# Altium PCB Charge.PcbDoc
Units mil, origin at the board's own origin, x right, y up, seen from the top; angles counter-clockwise.
Board outline 2424.87 x 1854.35 mil, 2 copper layers (Top Layer, Bottom Layer); 42 components, 22 nets, 117 pads, 37 vias.
Unrouted connection lines stored in the file: 25.
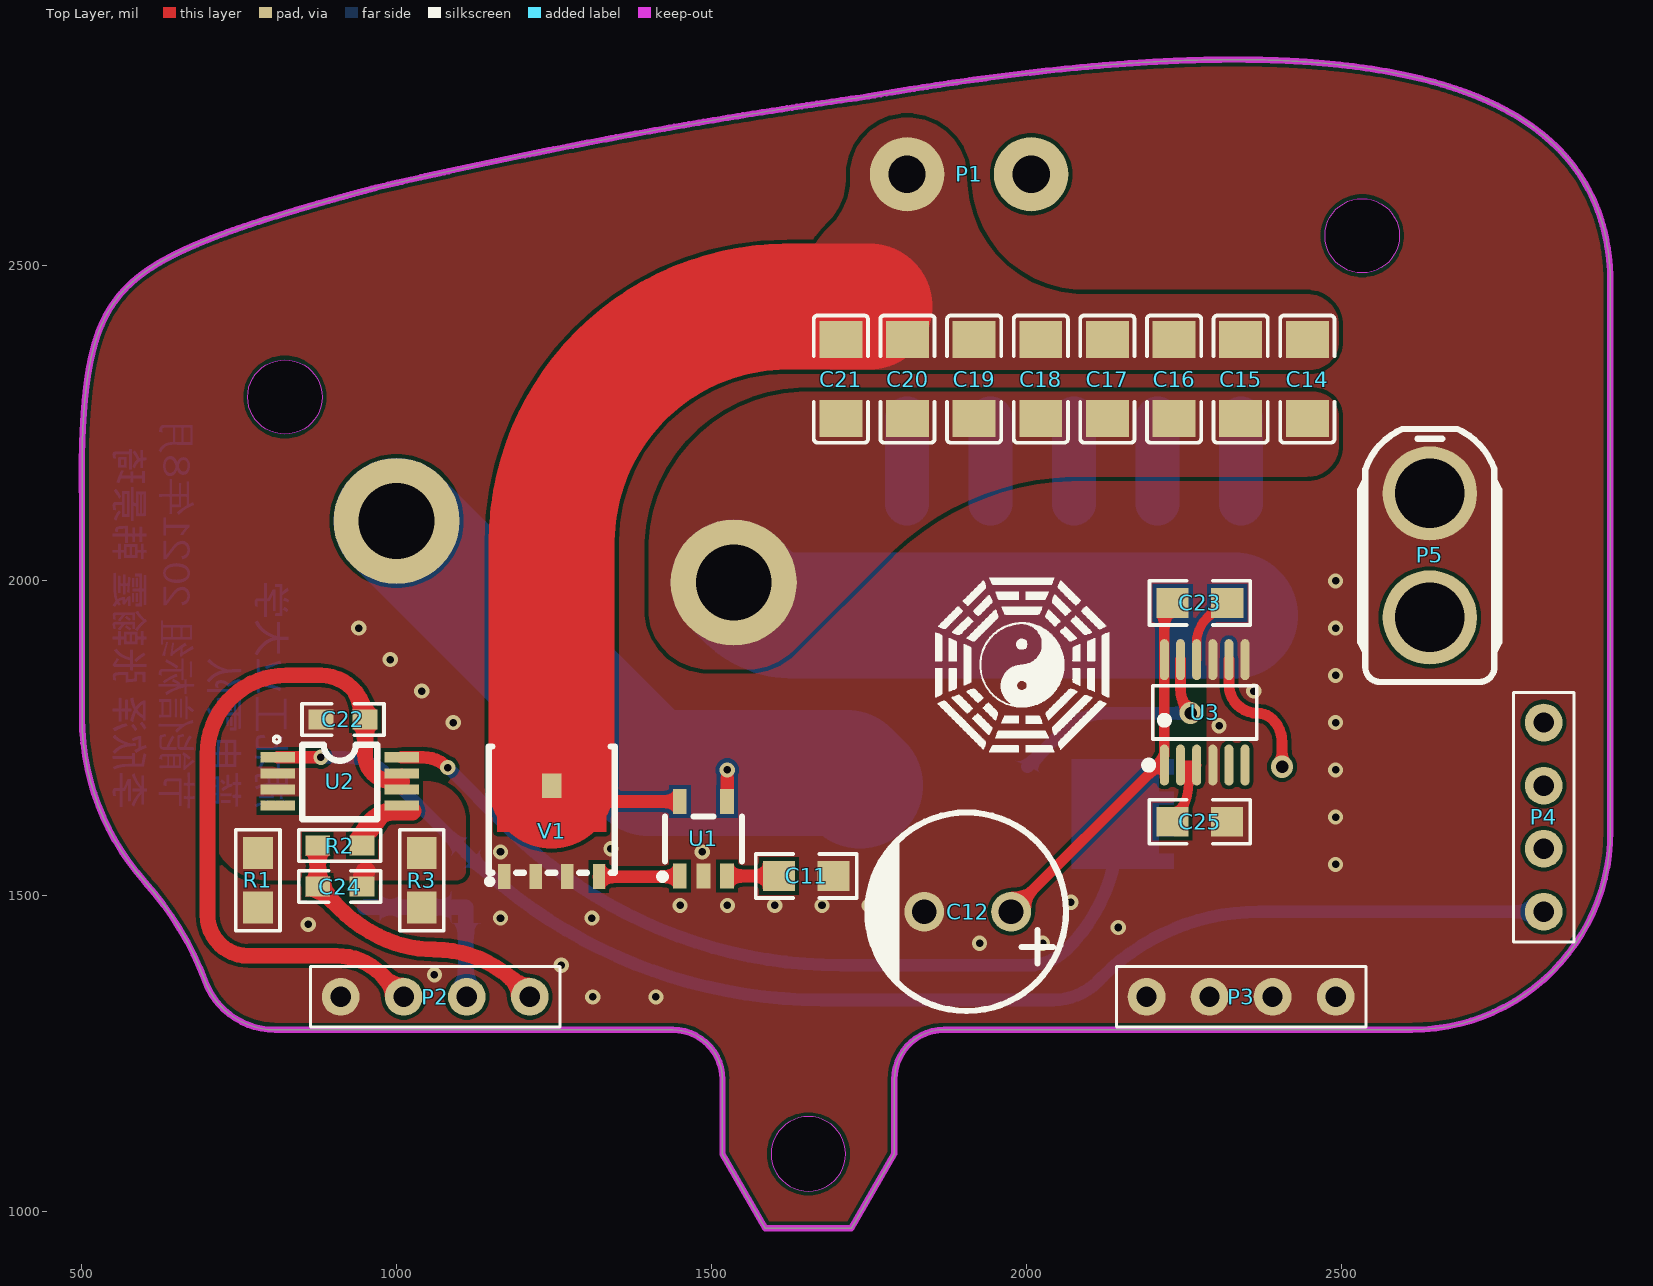
[diagram p0: Top Layer view]
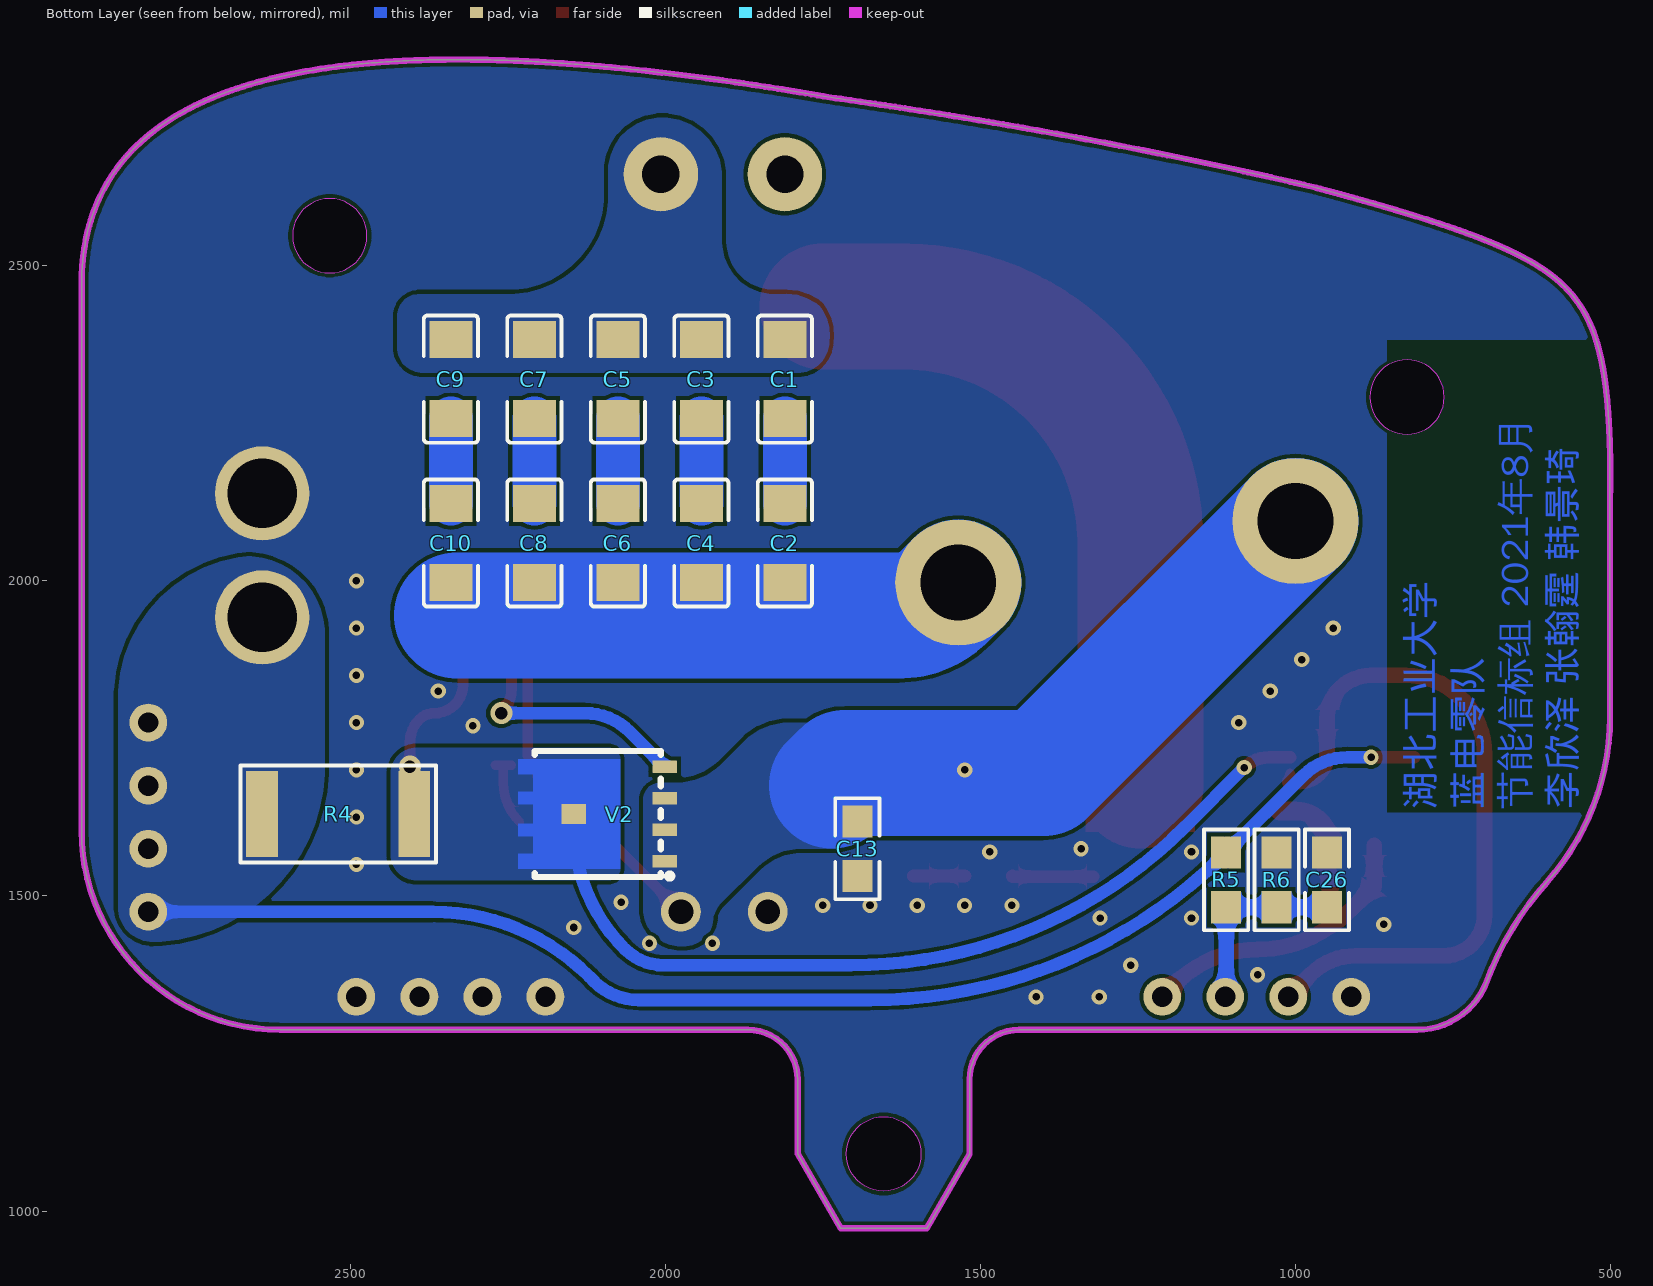
[diagram p1: Bottom Layer view, seen from below]

## Layer stack, top to bottom
Top Solder: solder mask 0.4, Solder Resist, Dk 3.5
Top Layer: signal copper 1.4
Dielectric 1: dielectric 12.6, FR-4, Dk 4.8
Bottom Layer: signal copper 1.4
Bottom Solder: solder mask 0.4, Solder Resist, Dk 3.5

## Board outline
840 vertices, not listed, extent 500.99,972.69 2925.85,2827.04
cut-out: 1594.36,1090.8 ccw(c1653.41,1090.8) 1653.41,1031.75 ccw(c1653.41,1090.8) 1712.47,1090.8 ccw(c1653.41,1090.8) 1653.41,1149.86 ccw(c1653.41,1090.8)
cut-out: 2532.13,2488.44 cw(c2532.13,2547.49) 2473.07,2547.49 cw(c2532.13,2547.49) 2532.13,2606.55 cw(c2532.13,2547.49) 2591.18,2547.49 cw(c2532.13,2547.49)
cut-out: 822.92,2232.55 cw(c822.92,2291.61) 763.87,2291.61 cw(c822.92,2291.61) 822.92,2350.66 cw(c822.92,2291.61) 881.98,2291.61 cw(c822.92,2291.61)

## Design rules (kind name [scope] priority, off if disabled: settings)
Clearance [All] p1: gap=6 ignorepadtopadclearanceinfootprint=TRUE
HoleSize [All] p1: absolutevalues=TRUE maxlimit=10000 minlimit=1 maxpercent=80.000 minpercent=20.000
PlaneClearance [All] p1: clearance=10
PolygonConnect [All] p1: connectstyle=Direct reliefconductorwidth=10 reliefentries=4 polygonreliefangle="90 Angle" airgapwidth=10
RoutingVias [All] p1: holewidth=15 width=30 viastyle="Through Hole" minholewidth=30 minwidth=20 maxholewidth=10 maxwidth=50
SilkToSilkClearance [All] p1: silktosilkclearance=0
SilkToSolderMaskClearance [IsPad] p1: minsilkscreentomaskgap=0 clearancetoexposedcopper=TRUE
SolderMaskExpansion [All] p1: expansion=4 istentingtop=FALSE
UnRoutedNet [All] p1: checkbadconnections=TRUE
Width [All] p1: maxlimit=200 minlimit=10 preferedwidth=30 minimp=50.000000 maximp=50.000000 favimp=50.000000
25 further rules are at their usual default settings.

## Components (designator, comment, footprint, x,y, rotation, side; value= is the part's Value field where it differs from the comment)
C1 "0F" 1206_CAP 1810,2320 r270 bottom
C2 "0F" 1206_CAP 1810,2060 r270 bottom
C3 "0F" 1206_CAP 1942.5,2320 r270 bottom
C4 "0F" 1206_CAP 1942.5,2060 r270 bottom
C5 "0F" 1206_CAP 2075,2320 r270 bottom
C6 "0F" 1206_CAP 2075,2060 r270 bottom
C7 "0F" 1206_CAP 2207.5,2320 r270 bottom
C8 "0F" 1206_CAP 2207.5,2060 r270 bottom
C9 "0F" 1206_CAP 2340,2320 r270 bottom
C10 "0F" 1206_CAP 2340,2060 r270 bottom
C11 "2.2uF" 0805_CAP 1649.99,1531.69 r0 top
C12 "470uF" CAP-TH_BD8.0-P3.50-D1.0-FD 1906.15,1475 r180 top
C13 "0.1uF" 0805_CAP 1695,1575 r90 bottom
C14 "0F" 1206_CAP 2445,2320 r270 top
C15 "0F" 1206_CAP 2339.29,2320 r270 top
C16 "0F" 1206_CAP 2233.57,2320 r270 top
C17 "0F" 1206_CAP 2127.86,2320 r270 top
C18 "0F" 1206_CAP 2022.14,2320 r270 top
C19 "0F" 1206_CAP 1916.43,2320 r270 top
C20 "0F" 1206_CAP 1810.71,2320 r270 top
C21 "0F" 1206_CAP 1705,2320 r270 top
C22 "0.1uF" 0603_CAP 915,1780 r180 top
C23 "0.1uF" 0805_CAP 2274.58,1965 r0 top
C24 "1nF" 0603_CAP 910,1515 r180 top
C25 "0.1uF" 0805_CAP 2274.41,1617.68 r0 top
C26 "1nF" 0805_CAP 950,1525.5 r270 bottom
P1 "XH2.54_2P" XH2.54_2P 1810,2645 r0 top
P2 "HDR1x4_2.54" HDR_1X4 911.4,1340 r90 top locked
P3 "HDR1x4_2.54" HDR_1X4 2190,1340 r90 top locked
P4 "HDR1x4_2.54" HDR_1X4 2820,1775 r0 top locked
P5 "XT30 DIP" "XT30 DIP" 2639.41,1941.83 r90 top locked
R1 "0R" 0805_RES 780,1525 r270 top
R2 "100R" 0603_RES 910,1580 r180 top
R3 "0R" 0805_RES 1040,1525 r270 top
R4 "2mO" 2512_RES 2518.69,1630 r0 bottom locked
R5 "100K" 0805_RES 1110,1525.5 r90 bottom
R6 "10K" 0805_RES 1030,1525.5 r270 bottom
U1 "UCC24612" SOT-23-5_L3.0-W1.7-P0.95-LS2.8-BR 1484.99,1590.75 r270 top
U2 "AD8417BRMZ" MSOP-8_L3.0-W3.0-P0.65-LS4.9-BL 910,1685 r270 top
U3 "LTC4352IMS" MSOP-12_L4.0-W3.0-P0.65-LS5.0-BL -15718.91,15283.26 r0 top
V1 "TPH1R403NL" POWERVDFN-8_L6.2-W5.2-P1.27-LS6.0-BL 1246.18,1630 r0 top
V2 "TPH1R403NL" POWERVDFN-8_L6.2-W5.2-P1.27-LS6.0-BL 2100,1630 r90 bottom

## Footprints (in the part's own frame and the unit in brackets; to place one, negate y for a bottom-side part, rotate by r counter-clockwise, add the part's x,y. Pads: shape width x height; smd on the part's side, far side on the other; paste and mask are expansions set on the pad)
0603_CAP [mm]
  rect 1x0.8 smd: 1(-0.889,0) 2(0.889,0)
  silkscreen extent -1.65,-0.64 1.65,0.64, body extent -0.8,-0.4 0.8,0.4, height 0.8
0603_RES [mm]
  rect 1x0.8 smd: 1(-0.889,0) 2(0.889,0)
  silkscreen extent -1.65,-0.64 1.65,0.64, body extent -0.8,-0.4 0.8,0.4, height 0.45
0805_CAP [mm]
  rect 1.3x1.2 smd: 1(-1.1,0) 2(1.1,0)
  silkscreen extent -2.03,-0.89 2.03,0.89, body extent -1,-0.62 1,0.63, height 1
0805_RES [mm]
  rect 1.3x1.2 smd: 1(-1.1,0) 2(1.1,0)
  silkscreen extent -2.03,-0.89 2.03,0.89, body extent -1,-0.62 1,0.63, height 0.6
1206_CAP [mm]
  rect 1.485x1.728 smd: 1(-1.593,0) 2(1.593,0)
  silkscreen extent -2.56,-1.09 2.56,1.09
2512_RES [mil]
  rect 50.49x136.06 smd: 1(-120.72,0) 2(120.72,0)
  silkscreen extent -155,-77 155,77
CAP-TH_BD8.0-P3.50-D1.0-FD [mm]
  round 1.6 hole 1: 1(-1.749,0) 2(1.751,0)
  silkscreen extent -3.96,-4 4.04,4
HDR_1X4 [mil] "HDR_1X4_2.54_180"
  round 60 hole 32: 1(0,0) 2(0,-100) 3(0,-200) 4(0,-300)
  silkscreen extent -48,-348 48,48, body extent -49,-350 49,50, height 323
MSOP-8_L3.0-W3.0-P0.65-LS4.9-BL [mil]
  rect 16x55 smd: 1(-35.03,-98.5) 2(-9.44,-98.5) 3(16.16,-98.5) 4(41.75,-98.5) 5(41.75,98.5) 6(16.16,98.5) 7(-9.44,98.5) 8(-35.03,98.5)
  silkscreen extent -68,-105 63,60
MSOP-12_L4.0-W3.0-P0.65-LS5.0-BL [mm]
  oval 0.364x1.65 smd: 1(455.603,-344.82) 2(456.253,-344.82) 3(456.903,-344.82) 4(457.553,-344.82) 5(458.203,-344.82) 6(458.853,-344.82) 7(458.853,-340.57) 8(458.203,-340.57) 9(457.553,-340.57) 10(456.903,-340.57) 11(456.253,-340.57) 12(455.603,-340.57)
  silkscreen extent 454.82,-344.97 459.32,-341.62
POWERVDFN-8_L6.2-W5.2-P1.27-LS6.0-BL [mm]
  rect 0.5x1 smd: 1(-1.905,-2.521) 2(-0.635,-2.521) 3(0.635,-2.521) 4(1.905,-2.521)
  rect 0.8x1 smd: 5(0,1.143)
  Top Layer region: -2.2,-0.721 -2.2,3.379 -1.6,3.379 -1.6,2.779 -0.9,2.779 -0.9,3.379 -0.4,3.379 -0.4,2.779 0.4,2.779 0.4,3.379 0.9,3.379 0.9,2.779 1.6,2.779 1.6,3.379 2.2,3.379 2.2,-0.721
  silkscreen extent -2.6,-2.82 2.54,2.72
SOT-23-5_L3.0-W1.7-P0.95-LS2.8-BR [mm]
  rect 1x0.55 smd: 1(1.5,-0.9) 2(1.5,0.05) 3(1.5,1) 4(-1.5,1) 5(-1.5,-0.9)
  silkscreen extent -0.9,-1.73 1.65,1.6
XH2.54_2P [mm] "XH2.54_2P"
  round 3 hole 1.5: 1(0,0) 2(5,0)
"XT30 DIP" [mm] "XT30 DIP"
  round 3.8 hole 2.8: 1(0,0) 2(5,0)
  silkscreen extent -2.6,-2.8 7.6,2.8

## Part data
C1 C2 C3 C4 C5 C6 C7 C8 C9 C10 C14 C15 C16 C17 C18 C19 C20 C21: library part 1206_CAP, "Capacitor", Specification="X7R 50V"
C11 C13 C23 C25 C26: library part 0805_CAP, "Capacitor", Specification="X7R 50V"
C12: library part CAP_8x11.5, "Electrolytic capacitor"
C22 C24: library part 0603_CAP, "Capacitor", Specification="X7R 50V"
P2 P3 P4: "Header"
P5: "XT30 板载直头直插"
R1 R3 R5 R6: library part 0805_RES, "Resistor", Specification=±5%
R2: library part 0603_RES, "Resistor", Specification=±5%
R4: library part 2512_RES, "Resistor"

## Free pads (board coordinates)
  round 200 hole 120: 2(1000,2095) 2(1535,1997.3)

## Via types
v1: diameter 24, hole 12, Top Layer to Bottom Layer, tented both sides, 35 vias
v2: diameter 35, hole 20, Top Layer to Bottom Layer, tented both sides, 2 vias

## Nets (pads, with @x,y where several pads share a name; then routed paths per layer and width w, separated by ;. In a path a pad name is that pad's centre, name@x,y a point inside that pad or via, vN(x,y) a via of type N, cw(c..) or ccw(c..) an arc to the next point about the centre after c; other vN are vias at no path point)
+3.3: C22.1 P2.2 U2.6 U2.7 | length 1151.3
  Top Layer w15: U2.6 1008.5,1681.64 U2.7
  Top Layer w25: 1008.5,1681.64 993.36,1681.64 cw(c993.36,1725) 950,1725 C22.1 ccw(c880,1780) 880,1850 825,1850 ccw(c825,1725) 700,1725 700,1470 ccw(c765,1470) 765,1405 904.98,1405 cw(c904.98,1305) 975.69,1375.71 P2.2
+Vdd: R4.1 U2.8 U3.8 V2.5 | length 1617
  Top Layer w17: U3.8 2320.59,1835.46 ccw(c2366.19,1835.46) 2366.12,1789.86 cw(c2366.19,1756.19) 2390,1780 cw(c2353.79,1743.79) 2405,1743.79 v2(2405,1705)
  Top Layer w20: U2.8 1041.85,1720.03 cw(c1041.85,1664.2) v1(1081.32,1703.68)
  Bottom Layer w20: v1(1081.32,1703.68) 1175.31,1609.69 ccw(c1705.56,2139.77) 1705.59,1390 1705.65,1390 2002.23,1390 ccw(c2002.23,1477.05) 2063.72,1415.43 ccw(c1867.71,1611.57) 2145,1611.57 V2.5
ADC_8417: C24.2 P2.4 R2.2 | length 456.7
  Top Layer w25: R2.2 C24.2 875.75,1514.25 908.71,1481.29 ccw(c1075.18,1646.52) 985.06,1429.98 ccw(c1060.01,1610.1) 1060.09,1415 cw(c1060.02,1230.62) 1190.49,1360.91 P2.4
ADC_ISN: C26.2 P2.3 R5.1 R6.2 | length 303
  Bottom Layer w25: C26.2 R6.2 R5.1 1110,1341.4 ccw(c1111.4,1341.4) P2.3
AGND: C22.2 C24.1 R1.1 R3.1 U2.2 U2.3 | length 26.7
  Top Layer w30: C24.1 945,1524.65 cw(c966.71,1524.65) 951.36,1540
GND: C11.2 C12.2 C13.1 C25.2 C26.1 P2.1 P3.1 P3.2 P3.3 P3.4 P5.2 R1.2 R3.2 R6.1 U1.2 U3.4 U3.7 U3.9 V1.1 V1.2 V1.3
  other v1: 1311.4,1340 1411.4,1340 1060,1375 1261.4,1390 1925,1425 2025,1425 2145,1450 860,1455 1165,1465 1310,1465 1450,1485 1525,1485 1600,1485 1675,1485 1750,1485 2070,1490 2490,1550 1165,1570 1485,1570 1340,1575 2490,1625 2490,1700 2305,1770 1090,1775 2490,1775 1040,1825 2360,1825 2490,1850 990,1875 940,1925 2490,1925 2490,2000
NetC1_1: C1.1 C3.1 C5.1 C7.1 C9.1 P1.2
NetC1_2: C1.2 C2.1 | length 134.6
  Bottom Layer w70: C2.1 C1.2
NetC2_2: C2.2 C4.2 C6.2 C8.2 C10.2 C14.2 C15.2 C16.2 C17.2 C18.2 C19.2 C20.2 C21.2 pad.2@1535,1997.3 | length 812.4
  Bottom Layer w200: pad.2@1535,1997.3 1558.01,1974.29 ccw(c1628.72,2045) 1628.72,1945 2330,1945
NetC3_2: C3.2 C4.1 | length 134.6
  Bottom Layer w70: C4.1 C3.2
NetC5_2: C5.2 C6.1 | length 134.6
  Bottom Layer w70: C6.1 C5.2
NetC7_2: C7.2 C8.1 | length 134.6
  Bottom Layer w70: C8.1 C7.2
NetC9_2: C9.2 C10.1 | length 134.6
  Bottom Layer w70: C10.1 C9.2
NetC11_1: C11.1 U1.3 | length 82.3
  Top Layer w20: U1.3 C11.1
NetC14_1: C14.1 C15.1 C16.1 C17.1 C18.1 C19.1 C20.1 C21.1 P1.1 U1.5 V1.5 | length 1321.2
  Top Layer w20: V1.5 ccw(c1271.38,1675) 1271.38,1649.8 U1.5
  Top Layer w200: V1.5 1246.18,2061.18 cw(c1620,2061.18) 1620,2435 1750,2435
NetC23_2: C23.2 U3.10 | length 111.6
  Top Layer w15: U3.10 2269.41,1902.36 cw(c2322.64,1902.36) 2285,1940 2304.43,1959.43 cw(c2317.88,1945.97) C23.2
NetC25_1: C25.1 U3.2 U3.3 | length 122.4
  Top Layer w15: C25.1 ccw(c2169.51,1679.27) 2256.61,1679.27 2256.61,1707.68 ; U3.2 2256.61,1707.68 ; U3.3 2256.61,1707.68
NetR2_1: R2.1 U2.5 | length 111.4
  Top Layer w30: R2.1 cw(c1000,1580) 1000,1635 1025,1635
NetU1_1: U1.1 V1.4 | length 129.3
  Top Layer w20: V1.4 1449.58,1530.75 U1.1
NetU3_11: U3.11 V2.4 | length 379.5
  Top Layer w17: U3.11 2243.82,1829.06 ccw(c2299.06,1829.06) 2252.4,1799.5 ccw(c2299.06,1829.06) v2(2260,1790)
  Bottom Layer w20: V2.4 2056.47,1760.71 cw(c2127.18,1690) 2127.18,1790 v2(2260,1790)
VOUT: P4.1 P4.2 P4.3 P4.4 P5.1 R4.2 R5.2 U2.1 | length 2168
  Top Layer w20: U2.1 v1(880,1720.03)
  Bottom Layer w20: v1(880,1720.03) 917.36,1720.03 cw(c917.36,1620.03) 988.07,1690.74 R5.2 1123.62,1555.35 1123.78,1555.35 ccw(c1674.46,2133.27) 1674.49,1335 1674.55,1335 2041.78,1335 ccw(c2041.78,1435) 2112.49,1364.29 2120.31,1372.11 cw(c2368.64,1123.89) 2368.67,1475 2368.73,1475 P4.4
VSC: C12.1 C13.2 C23.1 pad.2@1000,2095 U1.4 U3.1 U3.12 V2.1 V2.2 V2.3 | length 1552.8
  Top Layer w17: C12.1 2211.46,1711.46 ccw(c2195.13,1727.8) 2218.23,1727.8 C23.1@2218.23,1968.62
  Top Layer w20: U1.4 1524.69,1650.11 v1(1524.69,1700.11)
  Bottom Layer w200: pad.2@1000,2095 1400,1695 1715,1695 1735,1675
pads on no net: U2.4 U3.5 U3.6

## Polygon pours and split planes (outlines as drawn)
GND on Top Layer "NONET_L-01_P-001" (solid, remove dead copper, pour order 13): 2980,2985 2980,940 475,940 475,2985
AGND on Top Layer "NONET_L-01_P-001" (solid, remove dead copper, pour order 8): 795,1525 cw(c795,1615) 705,1615 705,1750 cw(c805,1750) 805,1850 890,1850 cw(c890,1790) 950,1790 950,1740.14 ccw(c1008.5,1740.14) 1008.5,1681.64 1048.36,1681.64 cw(c1048.36,1620) 1110,1620 1110,1540 cw(c1095,1540) 1095,1525
NetC14_1 on Top Layer "NONET_L-01_P-001" (solid, remove dead copper, pour order 11): 2450,2335 ccw(c2450,2380) 2495,2380 2495,2405 ccw(c2445,2405) 2445,2455 2090,2455 cw(c2090,2640) 1905,2640 ccw(c1810,2640) 1810,2735 ccw(c1810,2645) 1720,2645 1720,2636.42 cw(c1620,2636.42) 1690.71,2565.71 1684.64,2559.64 ccw(c1792.42,2451.86) 1640,2451.86 1640,2393.59 ccw(c1698.59,2393.59) 1698.59,2335
NetC2_2 on Top Layer "NONET_L-01_P-001" (solid, pour order 2): 2455,2300 cw(c2455,2260) 2495,2260 2495,2215 cw(c2445,2215) 2445,2165 2083.96,2165 ccw(c2083.96,1732.96) 1778.45,2038.45 1629.29,1889.29 cw(c1558.58,1960) 1558.58,1860 1495,1860 cw(c1495,1955) 1400,1955 1400,2048.92 cw(c1651.08,2048.92) 1651.08,2300
GND on Bottom Layer "NONET_L-01_P-001" (solid, remove dead copper, pour order 12): 2980,2985 2980,940 475,940 475,2985
VOUT on Bottom Layer "NONET_L-01_P-001" (solid, remove dead copper, pour order 5): 2663.76,2038.76 ccw(c2663.76,1915) 2540,1915 2540,1707 ccw(c2820,1707) 2812.11,1427.11 ccw(c2812.11,1483) 2868,1483 2868,1812 ccw(c2640,1812)
VSC on Bottom Layer "NONET_L-01_P-001" (solid, pour order 6): 1975,1420 ccw(c1975,1480) 2035,1480 2035,1652.05 ccw(c2007.05,1652.05) 2007.05,1680 1981.42,1680 cw(c1981.42,1780) 1910.71,1709.29 1874.29,1745.71 ccw(c1803.58,1675) 1803.58,1775 1730,1775 ccw(c1754.14,1750.86) 1720,1750.86 1720,1612.07 ccw(c1737.07,1612.07) 1725,1600 1725,1575 1783.58,1575 cw(c1783.58,1475) 1854.29,1545.71 1910.86,1489.14 cw(c1876.72,1455) 1923.34,1467.55 ccw(c1970.89,1467.55) 1970.89,1420 1980,1420
+Vdd on Bottom Layer "NONET_L-01_P-001" (solid, pour order 7): 2071.62,1716.61 2071.62,1543.38 ccw(c2090,1543.38) 2090,1525 2395,1525 ccw(c2395,1565) 2435,1565 2435,1695 ccw(c2395,1695) 2395,1735 2090,1735 ccw(c2090,1716.61)
NetC1_1 on Bottom Layer "NONET_L-01_P-001" (solid, pour order 4): 2005,2735 cw(c2005,2650) 2090,2650 2090,2612.86 ccw(c2247.86,2612.86) 2247.86,2455 2390,2455 cw(c2390,2420) 2425,2420 2425,2370.39 cw(c2384.61,2370.39) 2384.61,2330 1790,2330 cw(c1790,2380) 1740,2380 cw(c1814.07,2390.23) 1754.46,2435.37 cw(c1808.43,2372.11) 1815,2455 1827.24,2455 ccw(c1827.24,2537.76) 1910,2537.76 1910,2640 cw(c2005,2640)

## Keep-outs
Keep-Out Layer:
  lines w10: 500.26,2141.2 500.25,2142.86 500.25,2144.51 500.25,2146.16 cw(c3326.16,2147.47) 500.25,2147.79 500.25,2149.41 500.25,2151.01 500.25,2152.61 500.26,2154.2 500.26,2155.78 500.27,2157.34 500.27,2158.9 500.28,2160.45 500.29,2161.99 500.3,2163.51 500.31,2165.03 500.32,2166.54 500.33,2168.03 500.34,2169.52 500.35,2171 500.37,2172.47 500.38,2173.93 500.4,2175.38 500.42,2176.83 500.43,2178.26 500.45,2179.68 500.47,2181.1 500.49,2182.51 500.51,2183.9 500.53,2185.29 500.55,2186.68 500.58,2188.05 500.6,2189.41 500.62,2190.77 500.65,2192.12 500.67,2193.46 500.7,2194.79 500.73,2196.11 500.76,2197.43 500.78,2198.74 500.81,2200.04 500.84,2201.33 500.88,2202.62 500.91,2203.9 500.94,2205.17 500.97,2206.43 501.01,2207.69 501.04,2208.94 501.08,2210.18 501.11,2211.41 501.15,2212.64 501.19,2213.86 501.22,2215.07 501.26,2216.28 501.3,2217.48 501.34,2218.67 501.38,2219.86 501.43,2221.04 501.47,2222.21 501.51,2223.38 501.55,2224.54 501.6,2225.7 501.64,2226.84 501.69,2227.98 501.73,2229.12 501.78,2230.25 501.83,2231.37 501.88,2232.49 501.92,2233.6 501.97,2234.7 502.02,2235.8 502.07,2236.9 502.12,2237.98 502.23,2240.14 502.33,2242.27 502.44,2244.39 502.55,2246.48 502.67,2248.54 502.78,2250.59 502.9,2252.62 503.02,2254.62 503.15,2256.61 503.27,2258.57 503.4,2260.52 503.53,2262.45 503.66,2264.35 503.79,2266.24 503.93,2268.11 504.07,2269.96 504.21,2271.8 504.35,2273.61 504.5,2275.41 504.64,2277.2 504.79,2278.96 504.94,2280.71 505.1,2282.44 505.25,2284.16 505.41,2285.86 505.57,2287.55 505.73,2289.22 505.89,2290.87 506.06,2292.51 506.23,2294.13 506.4,2295.74 506.57,2297.34 506.74,2298.92 506.92,2300.49 507.09,2302.05 507.27,2303.59 507.46,2305.11 507.64,2306.63 507.82,2308.13 508.01,2309.62 508.2,2311.1 508.39,2312.56 508.58,2314.01 508.78,2315.45 508.97,2316.88 509.17,2318.3 509.37,2319.7 509.58,2321.09 509.78,2322.47 509.99,2323.84 510.19,2325.2 510.4,2326.55 510.61,2327.89 510.83,2329.22 511.04,2330.54 511.26,2331.84 511.48,2333.14 511.7,2334.43 511.92,2335.7 512.15,2336.97 512.37,2338.23 512.6,2339.48 512.83,2340.71 513.06,2341.94 513.3,2343.16 513.53,2344.38 513.77,2345.58 514.01,2346.77 514.25,2347.96 514.49,2349.13 514.73,2350.3 514.98,2351.46 515.23,2352.61 515.48,2353.75 515.73,2354.89 515.98,2356.02 516.24,2357.14 516.49,2358.25 516.75,2359.35 517.01,2360.45 517.27,2361.53 517.54,2362.62 517.8,2363.69 518.07,2364.76 518.34,2365.82 518.61,2366.87 518.89,2367.91 519.16,2368.95 519.44,2369.98 519.72,2371.01 520,2372.03 520.28,2373.04 520.56,2374.04 520.85,2375.04 521.14,2376.04 521.43,2377.02 521.72,2378 522.01,2378.98 522.31,2379.94 522.6,2380.91 522.9,2381.86 523.2,2382.81 523.5,2383.76 523.96,2385.16 524.42,2386.56 524.89,2387.94 525.36,2389.31 525.83,2390.66 526.31,2392.01 526.79,2393.34 527.28,2394.66 527.77,2395.97 528.27,2397.27 528.77,2398.56 529.27,2399.84 529.78,2401.11 530.29,2402.37 530.81,2403.61 531.33,2404.85 531.86,2406.08 532.39,2407.3 532.93,2408.5 533.65,2410.1 534.38,2411.68 535.11,2413.25 535.86,2414.79 536.61,2416.33 537.38,2417.85 538.15,2419.35 539.12,2421.21 540.11,2423.05 541.12,2424.87 542.34,2427.03 543.79,2429.5 545.49,2432.29 cw(c704.04,2334.03) 547.44,2435.37 cw(c701.41,2335.76) 557.7,2449.67 cw(c702.25,2335.08) 561.23,2453.99 cw(c703.74,2333.83) 563.57,2456.72 565.71,2459.11 567.61,2461.18 569.28,2462.94 570.68,2464.39 572.11,2465.84 573.56,2467.27 575.03,2468.7 576.22,2469.83 577.42,2470.96 578.64,2472.08 579.87,2473.2 581.12,2474.32 582.38,2475.43 583.65,2476.53 584.62,2477.36 585.59,2478.18 586.57,2479 587.57,2479.82 588.57,2480.64 589.58,2481.45 590.59,2482.26 591.62,2483.07 592.66,2483.88 593.7,2484.69 594.76,2485.49 595.82,2486.3 596.9,2487.1 597.98,2487.9 599.07,2488.7 600.18,2489.49 601.29,2490.29 602.42,2491.08 603.55,2491.88 604.7,2492.67 605.85,2493.46 607.02,2494.25 608.19,2495.04 608.99,2495.56 609.78,2496.09 610.58,2496.61 611.39,2497.14 612.2,2497.66 613.01,2498.18 613.84,2498.71 614.66,2499.23 615.49,2499.75 616.33,2500.28 617.17,2500.8 618.02,2501.32 618.87,2501.84 619.73,2502.36 620.6,2502.89 621.47,2503.41 622.34,2503.93 623.22,2504.45 624.11,2504.97 625,2505.49 625.9,2506.01 626.81,2506.53 627.72,2507.06 628.63,2507.58 629.56,2508.1 630.48,2508.62 631.42,2509.14 632.36,2509.66 633.31,2510.19 634.26,2510.71 635.22,2511.23 636.19,2511.75 637.16,2512.28 638.14,2512.8 639.13,2513.32 640.12,2513.85 641.12,2514.37 642.13,2514.89 643.14,2515.42 644.16,2515.94 645.19,2516.47 646.22,2517 647.27,2517.52 648.32,2518.05 649.37,2518.58 650.44,2519.11 651.51,2519.63 652.59,2520.16 653.67,2520.69 654.77,2521.22 655.87,2521.76 656.98,2522.29 658.1,2522.82 659.23,2523.35 660.36,2523.89 661.5,2524.42 662.66,2524.96 663.82,2525.49 664.98,2526.03 666.16,2526.57 667.35,2527.11 668.54,2527.65 669.74,2528.19 670.96,2528.73 672.18,2529.28 673.41,2529.82 674.65,2530.37 675.89,2530.91 677.15,2531.46 678.42,2532.01 679.7,2532.56 680.99,2533.11 682.28,2533.67 683.59,2534.22 684.91,2534.77 686.24,2535.33 687.57,2535.89 688.92,2536.45 690.28,2537.01 691.65,2537.57 693.03,2538.14 694.42,2538.7 695.82,2539.27 697.24,2539.84 698.66,2540.41 700.1,2540.98 701.55,2541.56 703.01,2542.13 704.48,2542.71 705.96,2543.29 707.46,2543.87 708.97,2544.45 710.49,2545.04 712.02,2545.63 713.57,2546.22 715.13,2546.81 716.7,2547.4 718.28,2548 719.88,2548.59 721.5,2549.19 723.12,2549.8 724.76,2550.4 726.42,2551.01 728.08,2551.62 729.77,2552.23 731.46,2552.85 733.18,2553.46 734.9,2554.08 736.65,2554.71 738.41,2555.33 740.18,2555.96 741.97,2556.59 743.77,2557.22 745.6,2557.86 747.43,2558.5 749.29,2559.14 751.16,2559.79 753.05,2560.44 754.96,2561.09 756.88,2561.75 758.82,2562.4 760.78,2563.07 762.76,2563.73 764.76,2564.4 766.77,2565.07 768.81,2565.75 770.86,2566.43 772.94,2567.11 775.03,2567.8 777.15,2568.49 779.28,2569.19 781.44,2569.89 783.61,2570.59 785.81,2571.3 788.03,2572.01 790.27,2572.73 792.54,2573.45 794.83,2574.18 797.14,2574.91 799.47,2575.64 801.83,2576.38 804.21,2577.12 806.62,2577.87 809.05,2578.63 811.5,2579.39 813.99,2580.15 815.24,2580.53 816.49,2580.92 817.76,2581.31 819.03,2581.7 820.31,2582.09 821.59,2582.48 822.88,2582.87 824.18,2583.26 825.48,2583.66 826.8,2584.05 828.11,2584.45 829.44,2584.85 830.77,2585.25 832.11,2585.66 833.46,2586.06 834.82,2586.47 836.18,2586.87 837.55,2587.28 838.93,2587.69 840.31,2588.1 841.7,2588.52 843.1,2588.93 844.51,2589.35 845.93,2589.77 847.35,2590.19 848.78,2590.61 850.22,2591.03 851.67,2591.46 853.13,2591.88 854.59,2592.31 856.06,2592.74 857.55,2593.17 859.04,2593.61 860.53,2594.04 862.04,2594.48 863.56,2594.92 865.08,2595.36 866.61,2595.8 868.15,2596.25 869.7,2596.69 871.26,2597.14 872.83,2597.59 874.41,2598.05 876,2598.5 877.59,2598.96 879.2,2599.41 880.82,2599.88 882.44,2600.34 884.08,2600.8 885.72,2601.27 887.38,2601.74 889.04,2602.21 890.72,2602.68 892.4,2603.16 894.1,2603.63 895.8,2604.11 897.52,2604.6 899.24,2605.08 900.98,2605.57 902.73,2606.05 904.49,2606.55 906.26,2607.04 908.04,2607.53 909.83,2608.03 911.63,2608.53 913.45,2609.04 915.27,2609.54 917.11,2610.05 918.96,2610.56 920.82,2611.07 922.69,2611.59 924.57,2612.11 926.47,2612.63 928.38,2613.15 930.3,2613.68 932.23,2614.21 934.18,2614.74 936.14,2615.27 938.11,2615.81 940.1,2616.35 942.09,2616.89 944.1,2617.44 946.13,2617.99 948.17,2618.54 950.22,2619.09 952.28,2619.65 954.36,2620.21 956.46,2620.78 958.56,2621.34 960.68,2621.91 962.82,2622.49 964.97,2623.06 967.14,2623.64 971.51,2624.81 978.91,2626.53 986.31,2628.25 993.72,2629.96 1001.13,2631.66 1008.55,2633.36 1015.98,2635.05 1023.41,2636.74 1030.85,2638.42 1038.29,2640.09 1045.74,2641.76 1053.19,2643.42 1060.65,2645.08 1068.12,2646.73 1075.59,2648.37 1083.07,2650.01 1090.55,2651.64 1098.04,2653.27 1105.54,2654.89 1113.04,2656.51 1120.54,2658.11 1128.06,2659.72 1135.57,2661.31 1143.1,2662.9 1150.62,2664.49 1158.16,2666.06 1165.7,2667.64 1173.24,2669.2 1180.79,2670.76 1188.35,2672.32 1195.91,2673.86 1203.48,2675.41 1211.05,2676.94 1218.62,2678.47 1226.21,2679.99 1233.79,2681.51 1241.39,2683.02 1248.99,2684.53 1256.59,2686.03 1264.2,2687.52 1271.81,2689.01 1279.43,2690.49 1287.06,2691.96 1294.68,2693.43 1302.32,2694.9 1309.96,2696.35 1317.6,2697.8 1325.25,2699.25 1332.91,2700.68 1340.57,2702.12 1348.23,2703.54 1355.9,2704.96 1363.57,2706.38 1371.25,2707.78 1378.94,2709.18 1386.63,2710.58 1394.32,2711.97 1402.02,2713.35 1409.72,2714.73 1417.43,2716.1 1425.14,2717.46 1432.86,2718.82 1440.59,2720.17 1448.31,2721.52 1456.04,2722.86 1463.78,2724.19 1471.52,2725.52 1479.27,2726.84 1487.02,2728.15 1494.77,2729.46 1502.53,2730.76 1510.3,2732.06 1518.07,2733.35 1525.84,2734.63 1533.62,2735.91 1541.4,2737.18 1549.18,2738.44 1556.97,2739.7 1564.77,2740.95 1572.57,2742.2 1580.37,2743.44 1588.18,2744.67 1595.99,2745.9 1603.81,2747.12 1611.63,2748.34 1619.45,2749.55 1627.28,2750.75 1635.12,2751.94 1642.95,2753.13 1650.8,2754.32 1658.64,2755.49 1666.49,2756.66 1674.35,2757.83 1682.2,2758.99 1690.07,2760.14 1697.93,2761.28 1705.8,2762.42 1713.68,2763.56 1721.55,2764.68 1729.43,2765.8 1737.32,2766.92 1749.18,2768.97 1758.62,2770.58 1768.02,2772.18 1777.39,2773.74 1786.71,2775.29 1796,2776.82 1805.26,2778.32 1814.47,2779.8 1821.35,2780.89 1828.22,2781.97 1835.06,2783.04 1841.88,2784.09 1848.68,2785.14 1855.46,2786.17 1862.22,2787.18 1868.95,2788.19 1875.67,2789.18 1882.36,2790.16 1889.03,2791.12 1895.68,2792.08 1902.31,2793.02 1908.92,2793.94 1915.5,2794.86 1922.07,2795.76 1928.61,2796.65 1935.13,2797.53 1941.63,2798.39 1948.11,2799.24 1954.57,2800.08 1961,2800.9 1967.42,2801.71 1973.81,2802.51 1980.18,2803.3 1986.53,2804.07 1992.86,2804.83 1999.17,2805.58 2005.45,2806.32 2011.72,2807.04 2017.96,2807.75 2024.19,2808.45 2030.39,2809.13 2036.57,2809.8 2042.72,2810.46 2048.86,2811.1 2054.97,2811.74 2061.07,2812.36 2067.14,2812.96 2073.19,2813.56 2079.22,2814.14 2085.23,2814.71 2091.22,2815.26 2097.18,2815.81 2103.13,2816.34 2109.05,2816.85 2114.95,2817.36 2120.83,2817.85 2126.69,2818.33 2132.52,2818.8 2138.34,2819.25 2144.13,2819.69 2149.91,2820.12 2155.66,2820.53 2161.39,2820.93 2167.1,2821.32 2172.78,2821.7 2178.45,2822.06 2184.09,2822.41 2189.72,2822.75 2195.32,2823.08 2200.9,2823.39 2206.46,2823.69 2212,2823.97 2217.51,2824.25 2223.01,2824.51 2228.48,2824.76 2233.93,2824.99 2239.36,2825.21 2244.77,2825.42 2250.16,2825.62 2255.53,2825.81 2260.87,2825.98 2266.19,2826.14 2271.5,2826.28 2276.78,2826.41 2282.04,2826.53 2287.27,2826.64 2292.49,2826.74 2297.69,2826.82 2302.86,2826.89 2308.01,2826.94 2313.14,2826.99 2318.25,2827.02 2323.34,2827.03 2328.41,2827.04 2333.45,2827.03 2338.48,2827.01 2343.48,2826.97 2348.46,2826.93 2353.42,2826.87 2358.36,2826.8 2363.28,2826.71 2368.17,2826.61 2373.05,2826.5 2377.9,2826.38 2382.73,2826.24 2387.54,2826.09 2392.33,2825.93 2397.1,2825.76 2401.85,2825.57 2406.57,2825.37 2411.27,2825.16 2415.95,2824.93 2420.62,2824.69 2425.25,2824.44 2429.87,2824.18 2434.47,2823.9 2439.04,2823.61 2443.6,2823.31 2448.13,2822.99 2452.64,2822.66 2457.13,2822.32 2461.6,2821.97 2466.04,2821.6 2470.47,2821.22 2474.87,2820.83 2479.25,2820.42 2483.62,2820 2487.96,2819.57 2492.27,2819.13 2496.57,2818.67 2500.85,2818.2 2505.1,2817.72 2509.33,2817.22 2513.54,2816.72 2517.73,2816.2 2521.9,2815.66 2526.05,2815.12 2530.17,2814.56 2534.28,2813.99 2538.36,2813.4 2542.42,2812.8 2546.46,2812.19 2550.48,2811.57 2554.48,2810.93 2558.45,2810.28 2562.41,2809.62 2566.34,2808.95 2570.25,2808.26 2574.14,2807.56 2578.01,2806.85 2581.86,2806.12 2585.69,2805.38 2589.49,2804.63 2593.28,2803.87 2597.04,2803.09 2600.78,2802.3 2604.5,2801.5 2608.19,2800.68 2611.87,2799.85 2615.53,2799.01 2619.16,2798.16 2622.77,2797.29 2626.36,2796.41 2629.93,2795.52 2633.48,2794.62 2637.01,2793.7 2640.51,2792.77 2644,2791.82 2647.46,2790.87 2650.9,2789.9 2654.32,2788.92 2657.72,2787.92 2661.1,2786.91 2664.45,2785.89 2667.78,2784.86 2671.1,2783.81 2674.39,2782.75 2677.66,2781.68 2680.91,2780.6 2684.13,2779.5 2687.34,2778.39 2690.52,2777.27 2693.69,2776.13 2696.83,2774.98 2699.95,2773.82 2703.05,2772.65 2706.13,2771.46 2709.18,2770.26 2712.22,2769.05 2715.23,2767.82 2718.22,2766.58 2721.19,2765.33 2724.14,2764.07 2727.07,2762.79 2729.98,2761.5 2732.86,2760.2 2735.72,2758.88 2738.57,2757.56 2741.39,2756.22 2744.19,2754.86 2746.96,2753.5 2749.72,2752.12 2752.46,2750.72 2755.17,2749.32 2757.86,2747.9 2760.53,2746.47 2763.18,2745.03 2765.81,2743.57 2768.42,2742.1 2771,2740.62 2773.57,2739.13 2776.11,2737.62 2778.63,2736.1 2781.13,2734.56 2783.61,2733.02 2786.07,2731.46 2788.5,2729.89 2790.92,2728.3 2793.31,2726.71 2795.68,2725.1 2798.03,2723.47 2800.36,2721.84 2802.67,2720.19 2804.95,2718.53 2807.22,2716.85 2809.46,2715.17 2812.42,2712.9 2815.34,2710.61 2818.22,2708.29 2821.06,2705.95 2823.87,2703.59 2826.64,2701.21 2829.37,2698.81 2832.06,2696.38 2834.71,2693.93 2837.33,2691.45 2840.54,2688.33 2843.7,2685.17 2846.79,2681.97 2849.83,2678.74 cw(c2638.8,2483.39) 2853.4,2674.81 cw(c2641.06,2485.41) 2856.88,2670.84 cw(c2643.28,2487.31) 2860.83,2666.13 cw(c2645.54,2489.17) 2865.21,2660.67 cw(c2647.81,2490.94) 2870.46,2653.72 cw(c2650.17,2492.66) 2878.38,2642.3 cw(c2651.2,2493.36) 2896.25,2610.58 cw(c2647.31,2491.45) 2899.89,2602.65 cw(c2644.64,2490.27) 2902.63,2596.21 cw(c2641.9,2489.14) 2904.9,2590.5 cw(c2639.14,2488.08) 2906.76,2585.55 cw(c2636.26,2487.03) 2908.53,2580.55 2909.94,2576.35 2911.29,2572.1 2912.58,2567.83 2913.81,2563.51 2914.98,2559.16 2915.88,2555.66 2916.73,2552.13 2917.55,2548.58 2918.33,2545.01 2919.07,2541.41 2919.78,2537.79 2920.44,2534.15 2921.07,2530.48 2921.66,2526.8 2922.08,2524.02 2922.48,2521.22 2922.85,2518.42 2923.21,2515.6 2923.54,2512.77 2923.85,2509.92 2924.14,2507.07 2924.41,2504.19 2924.65,2501.31 2924.88,2498.42 2925.08,2495.51 2925.26,2492.59 2925.42,2489.65 2925.56,2486.71 2925.68,2483.75 2925.78,2480.77 2925.85,2477.79 2925.91,2474.79 2925.94,2471.78 2925.95,2468.75 ; 500.99,2206.92 500.99,1783.54 ccw(c894.69,1784.4) 601.2,1521.98 cw(c229.05,1189.23) 696.55,1364.33 ccw(c807.15,1405.76) 807.15,1287.65 847.74,1287.65 1438.29,1287.65 cw(c1438.29,1208.91) 1517.03,1208.91 1517.03,1090.8 1585.22,972.69 1721.6,972.69 1789.79,1090.8 1789.79,1208.91 cw(c1868.53,1208.91) 1868.53,1287.65 2610.89,1287.65 ccw(c2610.89,1602.61) 2925.85,1602.61 2925.85,2477.86

## Other copper
Top Layer:
  pour cut-out: 2285,1865 2285,1709.39 cw(c2284.87,1759.27) 2235,1759.27 2235,1795
Bottom Layer:
  text "湖北工业大学 / 蓝电零队 / 节能信标组 2021年8月 / 李欣泽 张翰霆 韩景琦" at 541.15,1637.96 h75 r270

## Silkscreen, mask and mechanical layers (free items; w line width, h text height)
Top Overlay:
  drawing of 2310 lines, arcs and shapes, not listed
Bottom Solder:
  text "湖北工业大学 / 蓝电零队 / 节能信标组 2021年8月 / 李欣泽 张翰霆 韩景琦" at 541.15,1637.96 h75 r270
Mechanical 1:
  drawing of 841 lines, arcs and shapes, not listed